# Altium PCB praxis_top_level_pcbdoc_v1.PcbDoc (part 1 of 2)
Units mm, origin at the board's own origin, x right, y up, seen from the top; angles counter-clockwise.
Board outline 131 x 75.5 mm, 4 copper layers (Top Layer, Int1 (GND), Int2 (PWR), Bottom Layer), stack 1.273 mm thick; 193 components, 25 nets, 735 pads, 144 vias.
Unrouted connection lines stored in the file: 9.
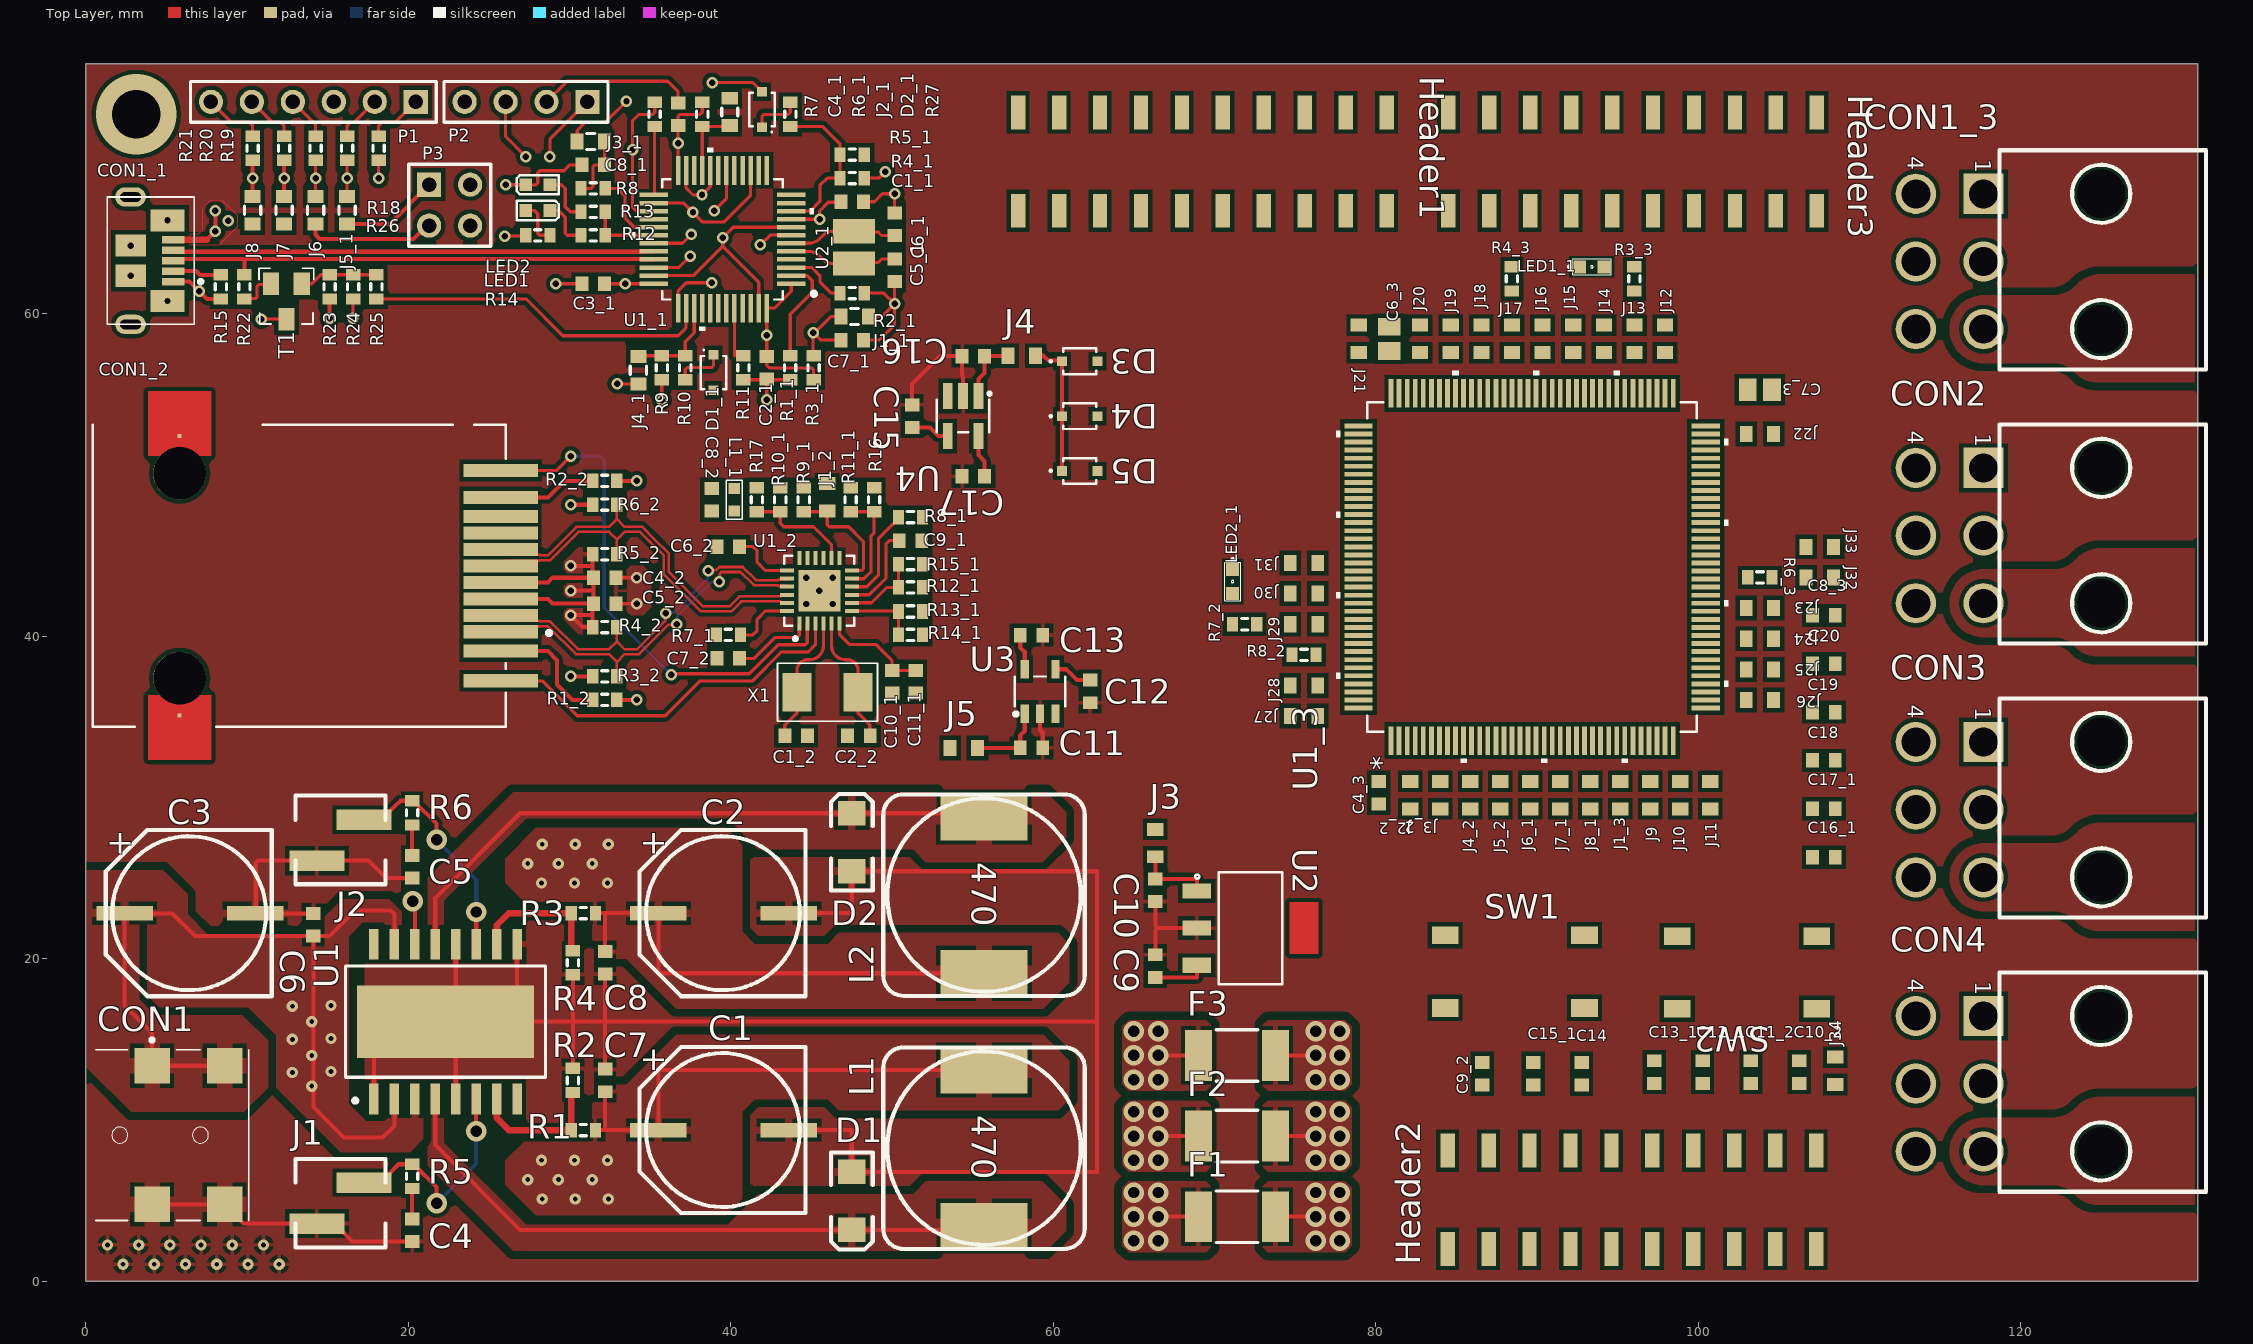
[diagram p0: Top Layer view]
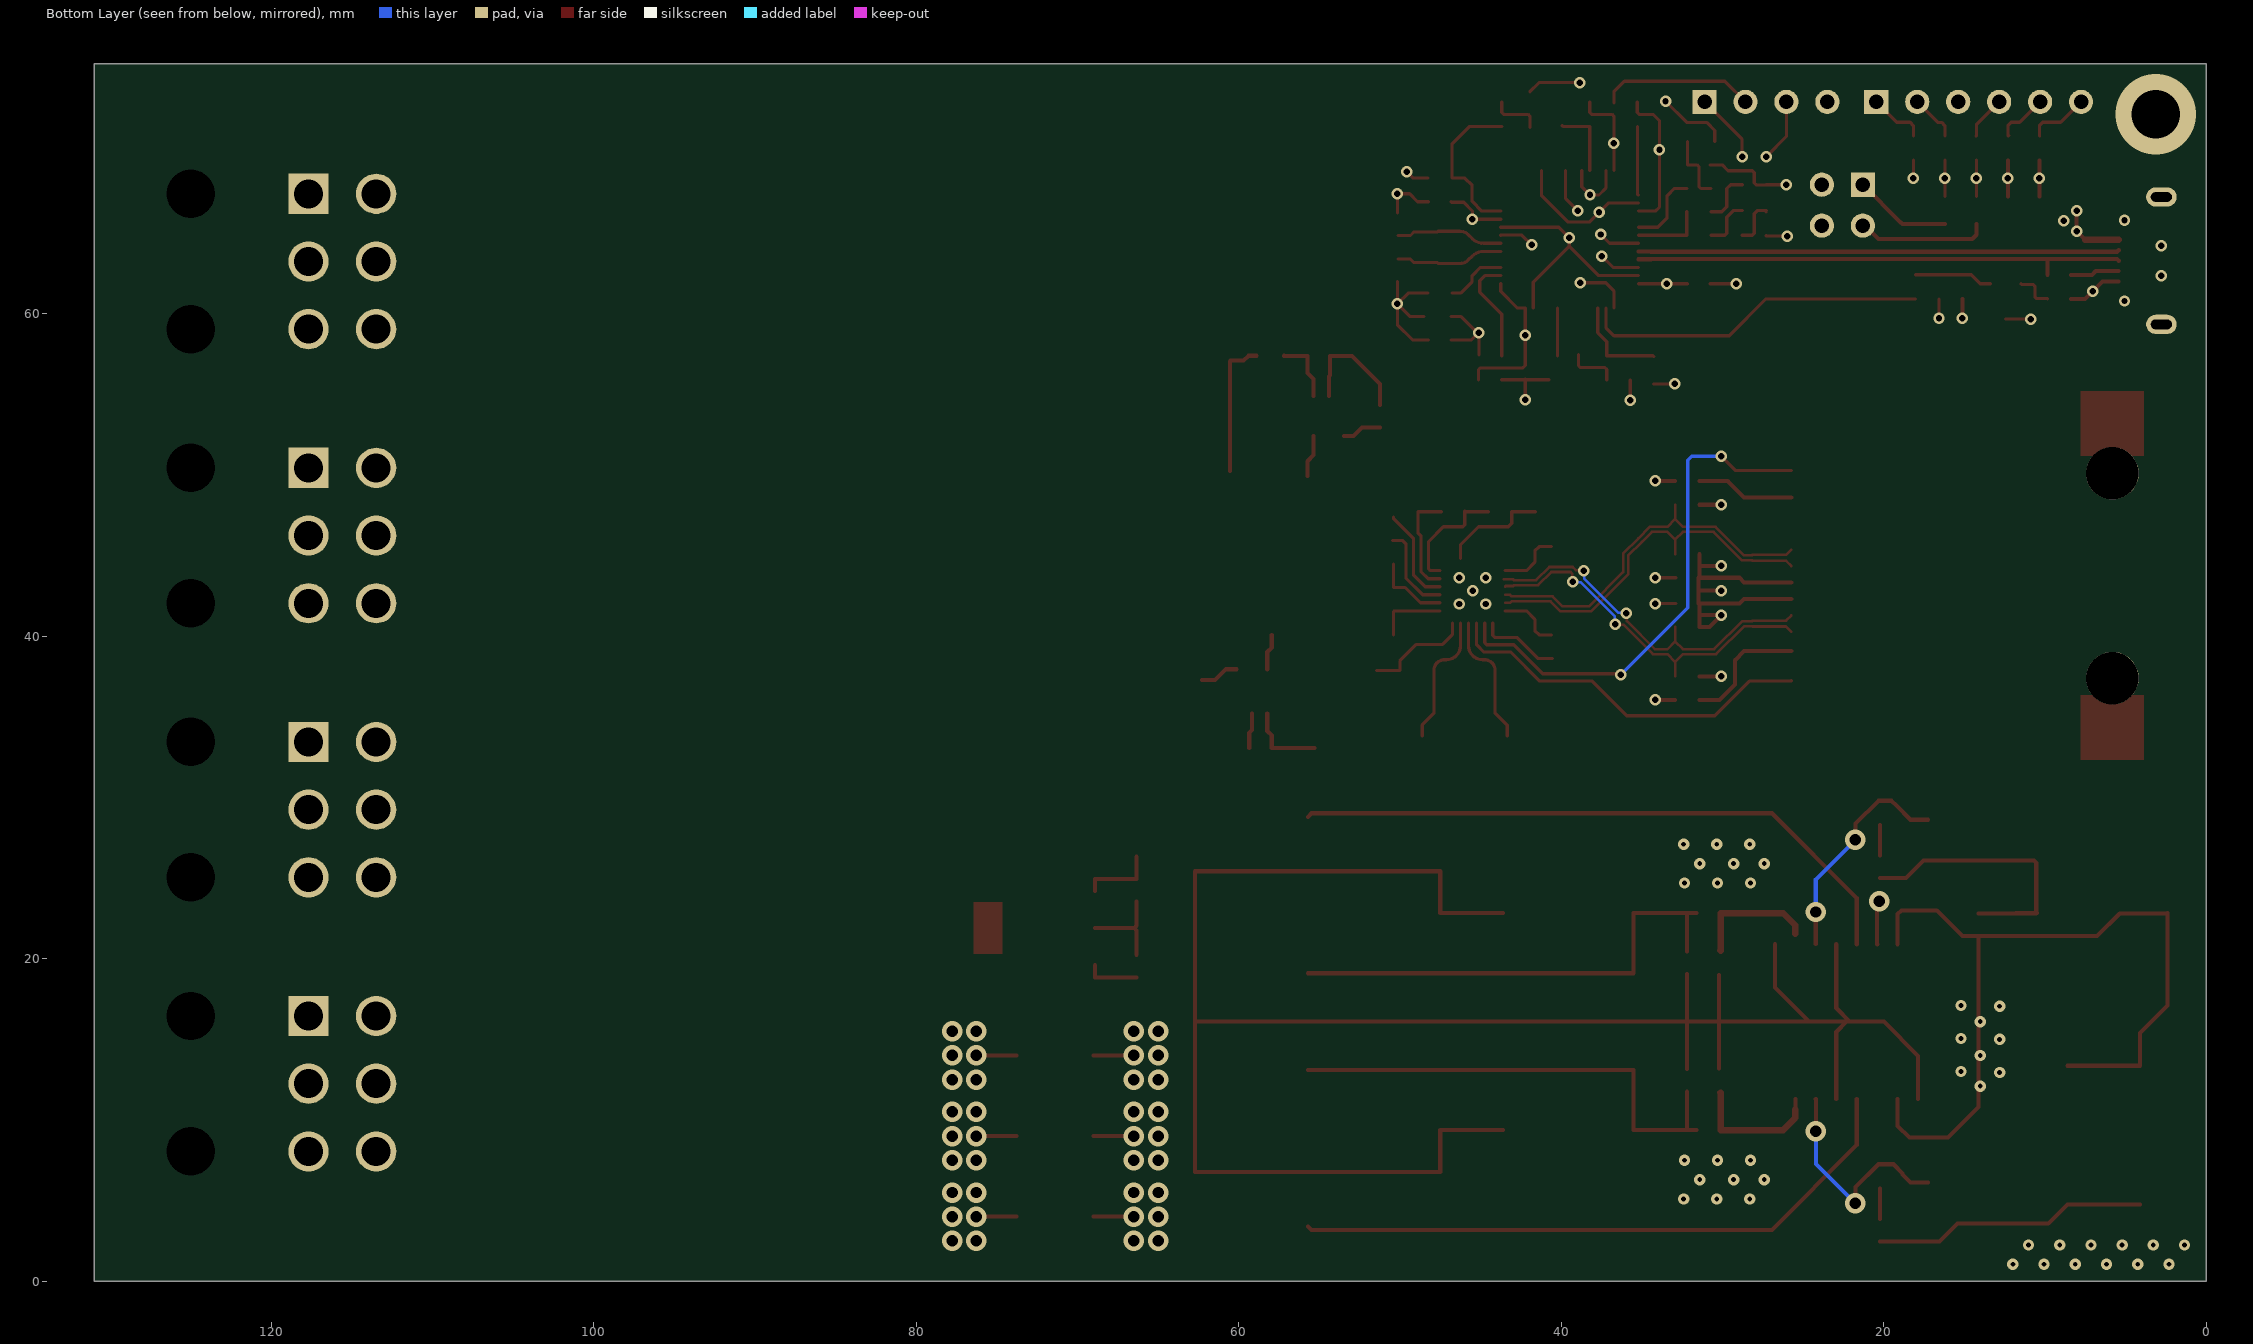
[diagram p1: Bottom Layer view, seen from below]
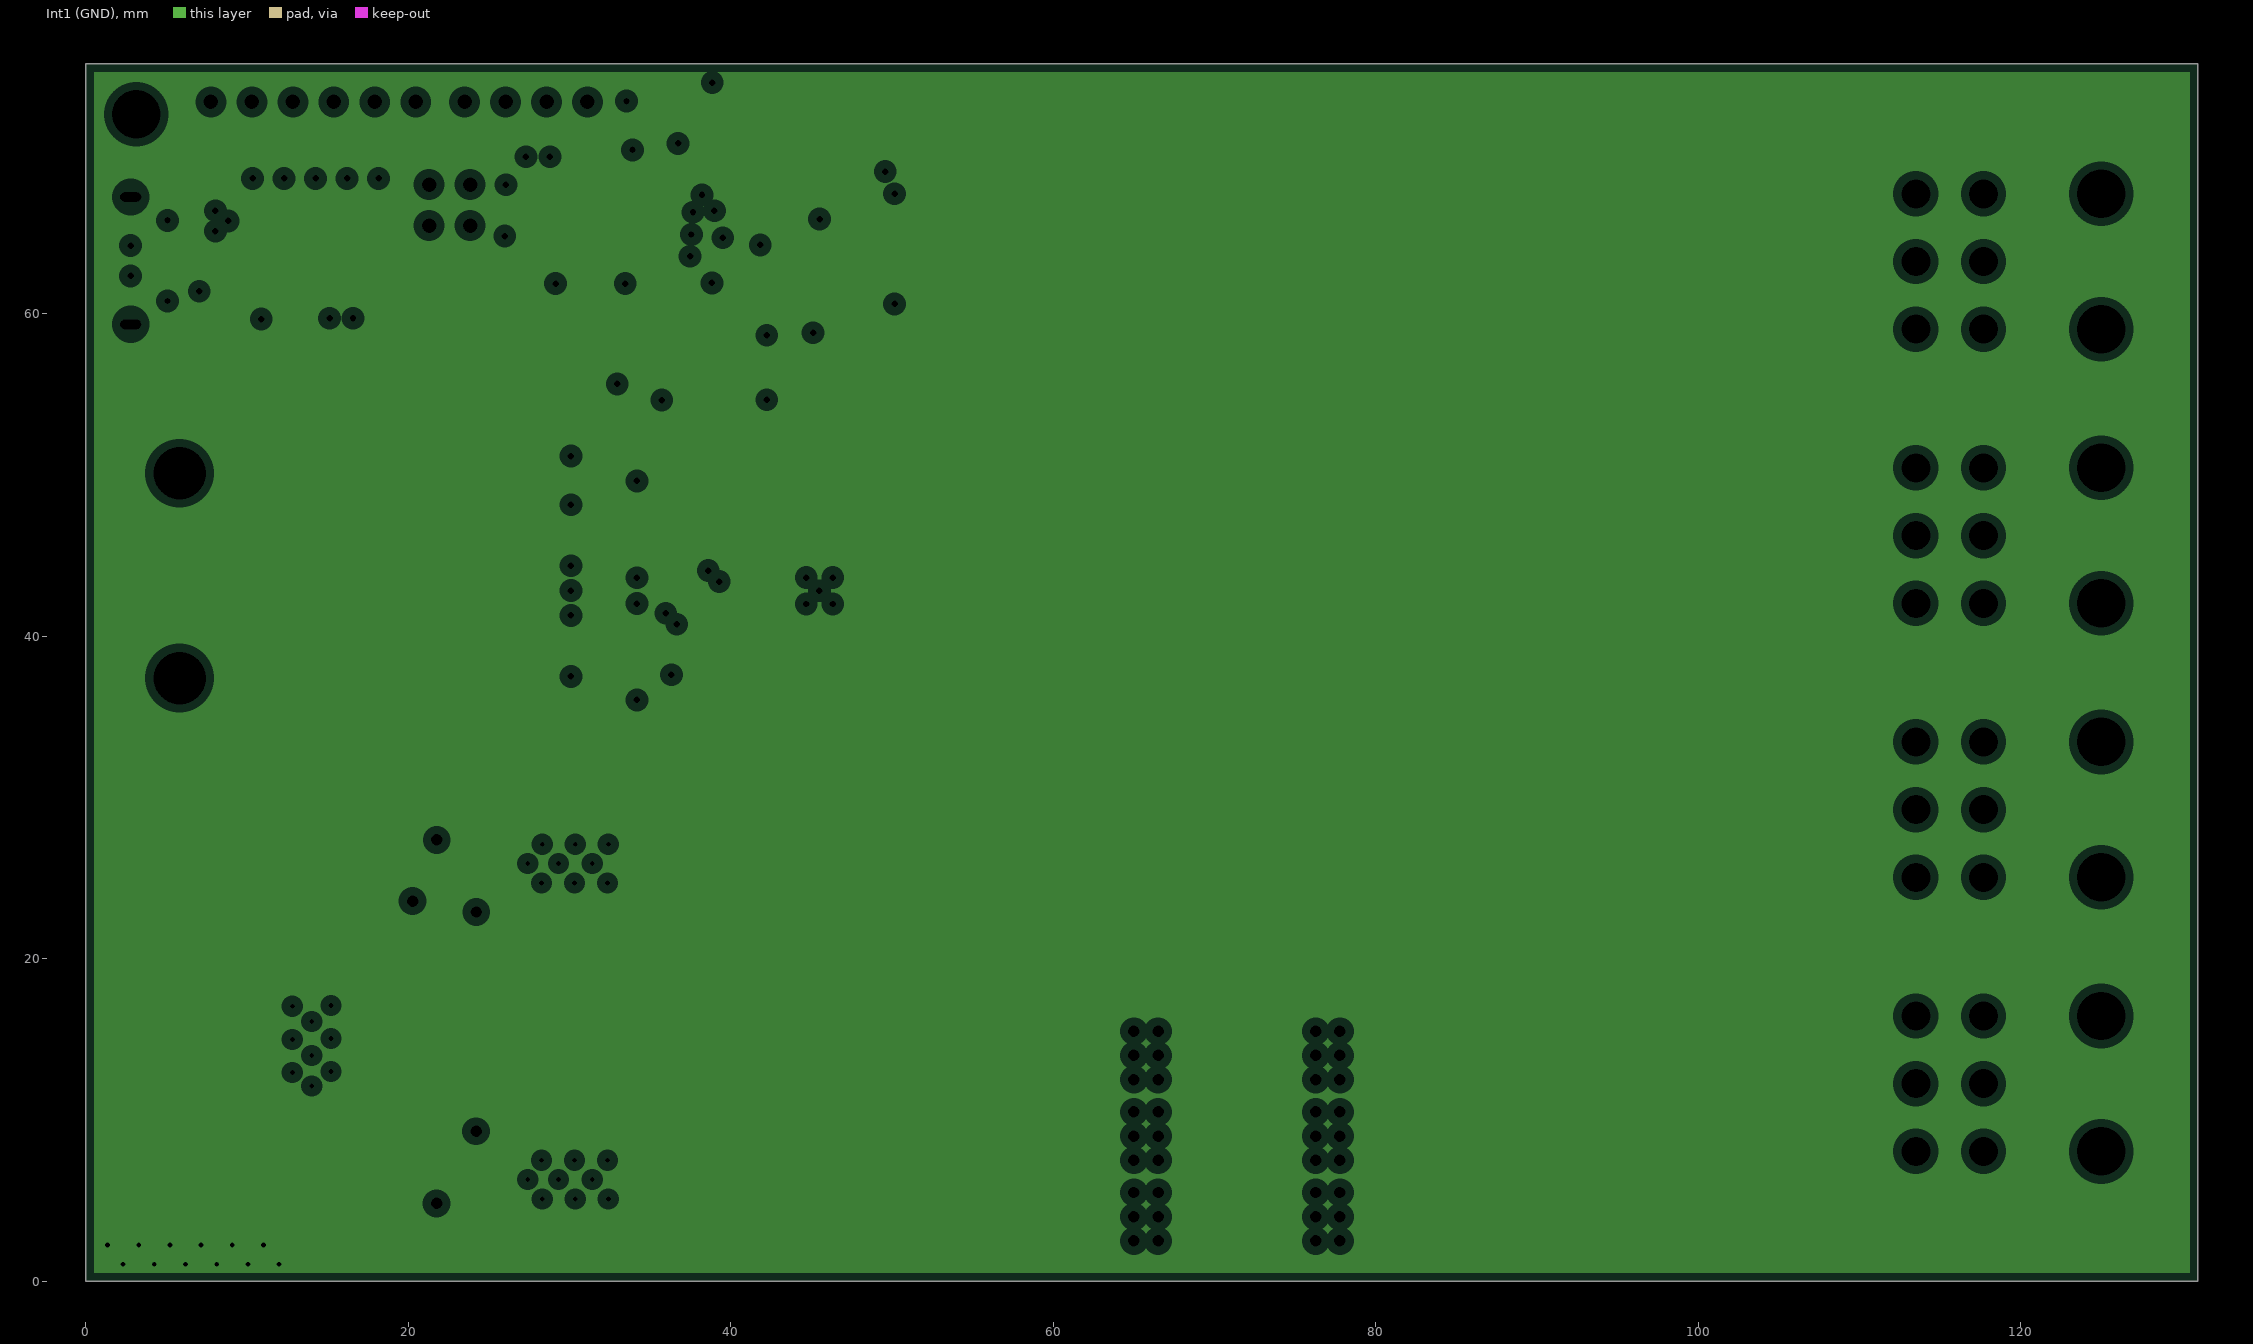
[diagram p2: Int1 (GND), clearances drawn from the general rule]
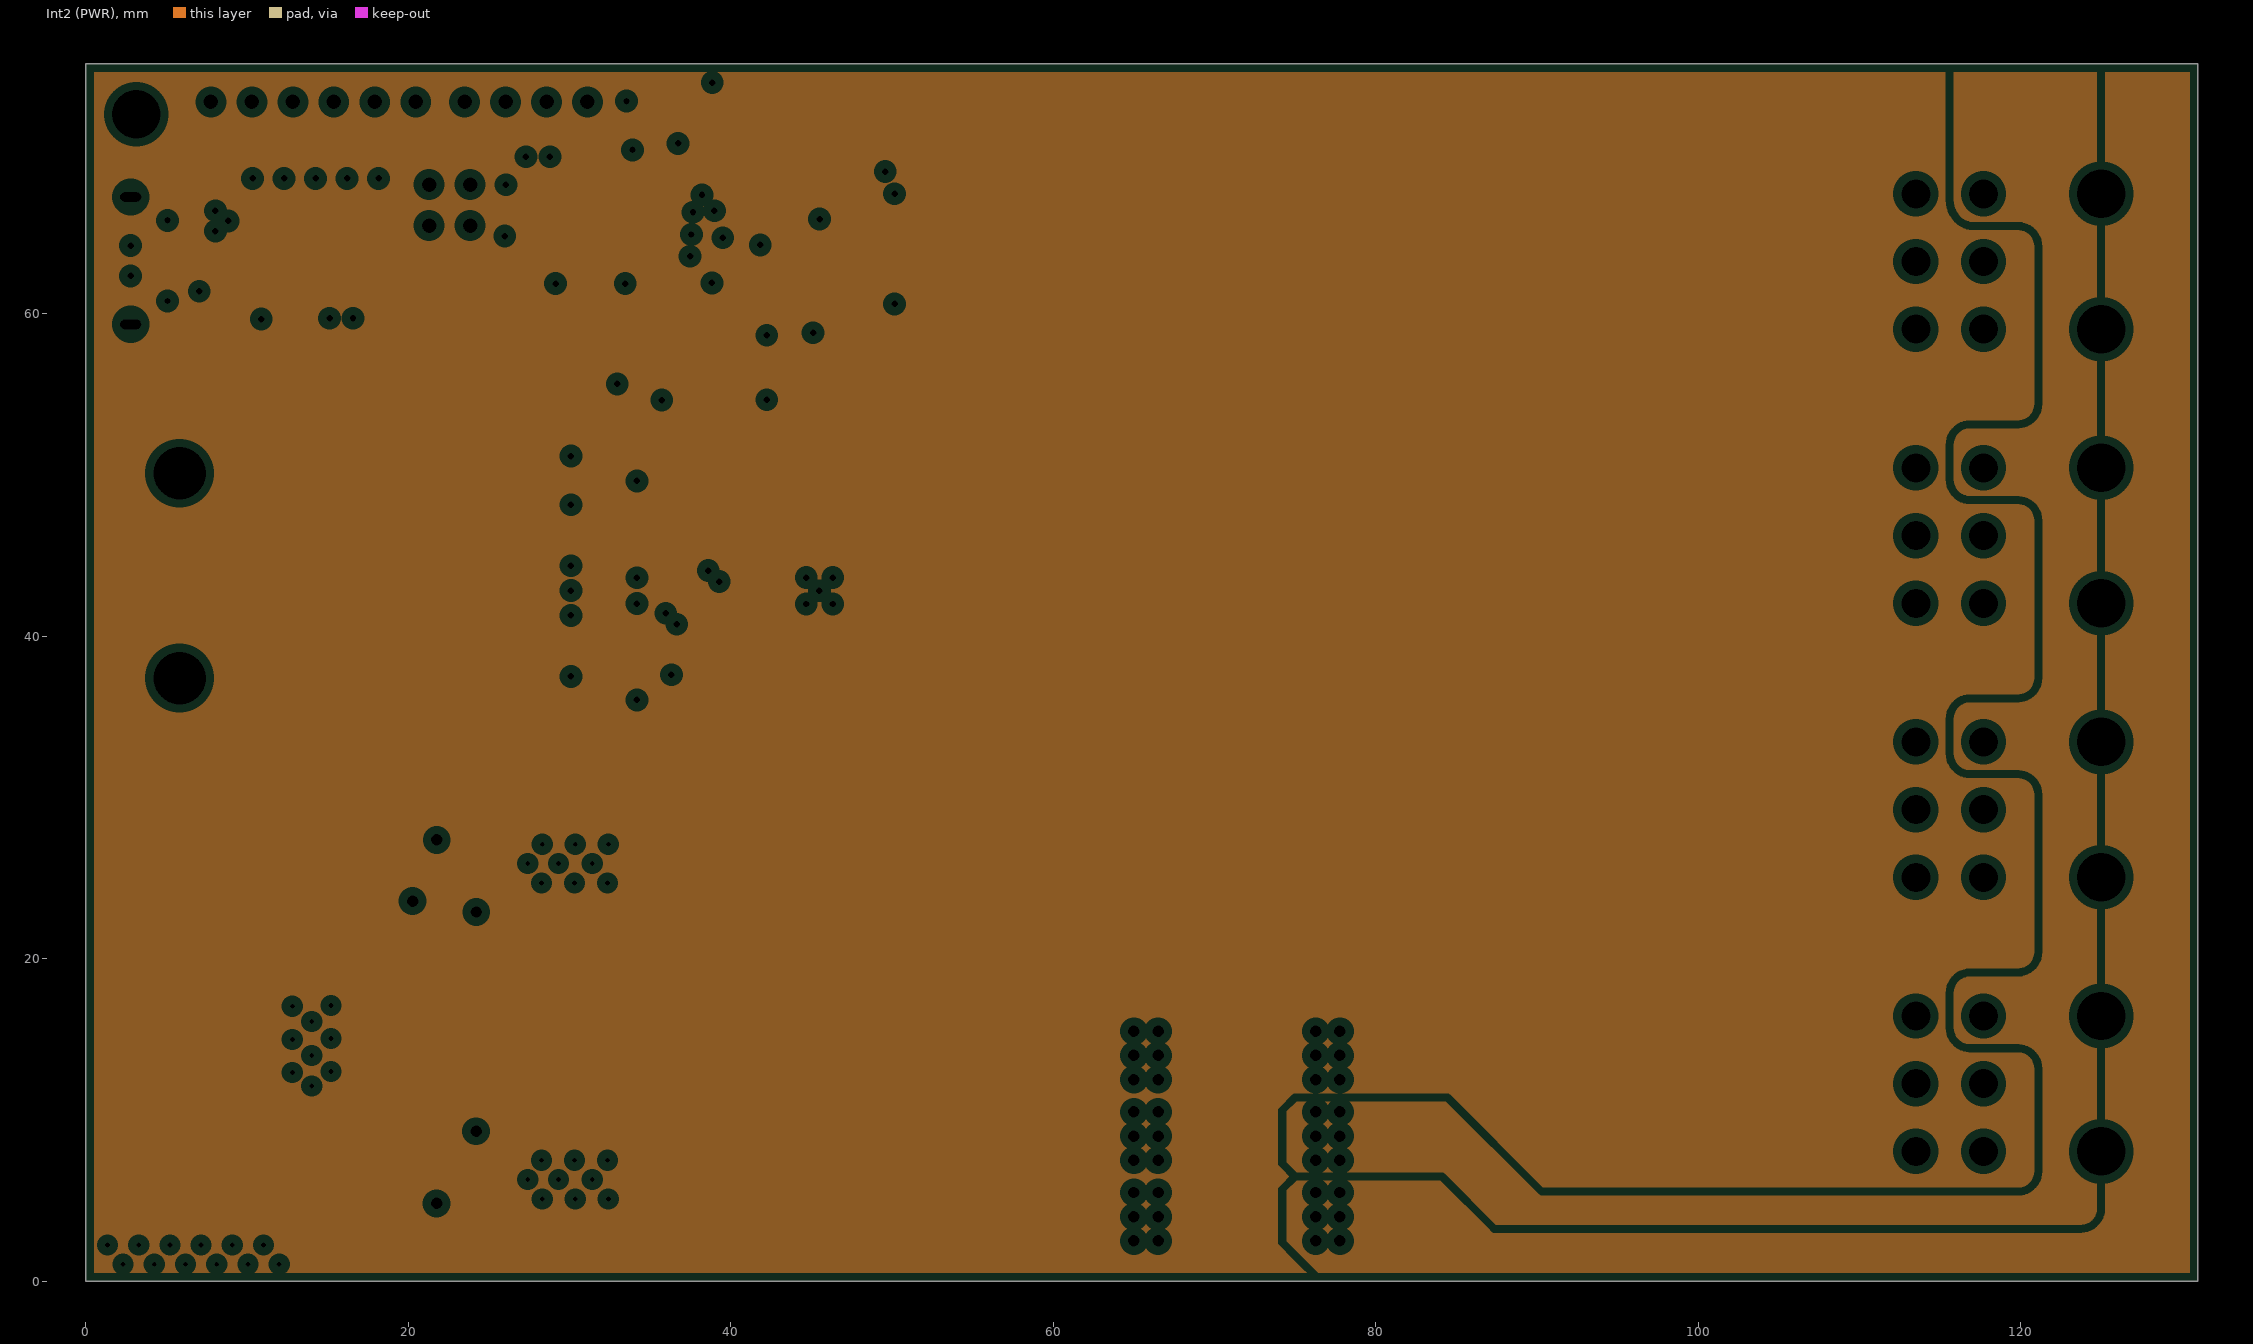
[diagram p3: Int2 (PWR), clearances drawn from the general rule]

## Layer stack, top to bottom
Top Solder: solder mask 0.0254, SM-001, Dk 4
Top Layer: signal copper 0.035
Dielectric 1: prepreg 0.0864, PP-010, Dk 4
Dielectric 2: prepreg 0.0864, PP-010, Dk 4
Int1 (GND): plane copper 0.035, net GND
Dielectric 3: core 0.7874, Core-040, Dk 4.6
Int2 (PWR): plane copper 0.035
Dielectric 4: prepreg 0.0864, PP-010, Dk 4
Dielectric 5: prepreg 0.0864, PP-010, Dk 4
Bottom Layer: signal copper 0.035
Bottom Solder: solder mask 0.0254, SM-001, Dk 4

## Board outline
0,0 0,75.5 131,75.5 131,0

## Design rules (kind name [scope] priority, off if disabled: settings)
Clearance Clearance_Power [InNetClass('Net_Class_Power')] p1: gap=0.254 ignorepadtopadclearanceinfootprint=FALSE except(0: Arc-Hole Track-Hole SMDPad-Hole THPad-Hole Via-Hole Fill-Hole Poly-Hole Region-Hole Text-Hole; 0.5: Poly-Poly)
Clearance [All] p2: gap=0.254 ignorepadtopadclearanceinfootprint=FALSE except(0: Arc-Hole Track-Hole SMDPad-Hole THPad-Hole Via-Hole Fill-Hole Poly-Hole Region-Hole Text-Hole)
PlaneClearance [All] p1: clearance=0.508
PlaneConnect [All] p1: planeconnectstyle=Relief reliefexpansion=0.508 reliefentries=4 reliefconductorwidth=0.254 reliefairgap=0.254
PolygonConnect [All] p1: connectstyle=Relief reliefconductorwidth=0.254 reliefentries=4 polygonreliefangle="90 Angle" airgapwidth=0.254
RoutingVias [All] p1: holewidth=0.711 width=1.27 viastyle="Through Hole" minholewidth=0.711 minwidth=1.27 maxholewidth=0.711 maxwidth=1.27
SolderMaskExpansion [All] p1: expansion=0.102 istentingtop=FALSE
Width Width_FB [InNetClass('Net_Class_FB')] p1: maxlimit=0.5 minlimit=0.254 preferedwidth=0.4
Width [All] p2: maxlimit=0.254 minlimit=0.254 preferedwidth=0.254
28 further rules are at their usual default settings.

## Classes and differential pairs
net class Net_Class_FB: Vref1 Vref2
net class Net_Class_Power: +3V3_SPI +5V_SPI +5V_USB +12V GND SWout1 SWout2
polygon class Poly_Class_Power: +3V3_SPI +12V_L01_P003 +12V_L01_P004 +12V_L01_P006 +12V_L01_P007 SWOUT1_L01_P011 SWOUT2_L01_P013
component class modulo_alimentador_schdoc: C1 C2 C3 C4 C5 C6 C7 C8 C9 C10 C11 C12 C13 C15 C16 C17 CON1 D1 D2 D3 D4 D5 J1 J2 J3 J4 J5 L1 L2 R1 R2 R3 R4 R5 R6 U1 U2 U3 U4
